# Altium PCB 6502_carrier.PcbDoc (part 2 of 2)
Units mil, origin at the board's own origin, x right, y up, seen from the top; angles counter-clockwise.
Board outline 6960 x 3485 mil, 2 copper layers (Top Layer, Bottom Layer); 111 components, 122 nets, 577 pads, 197 vias.
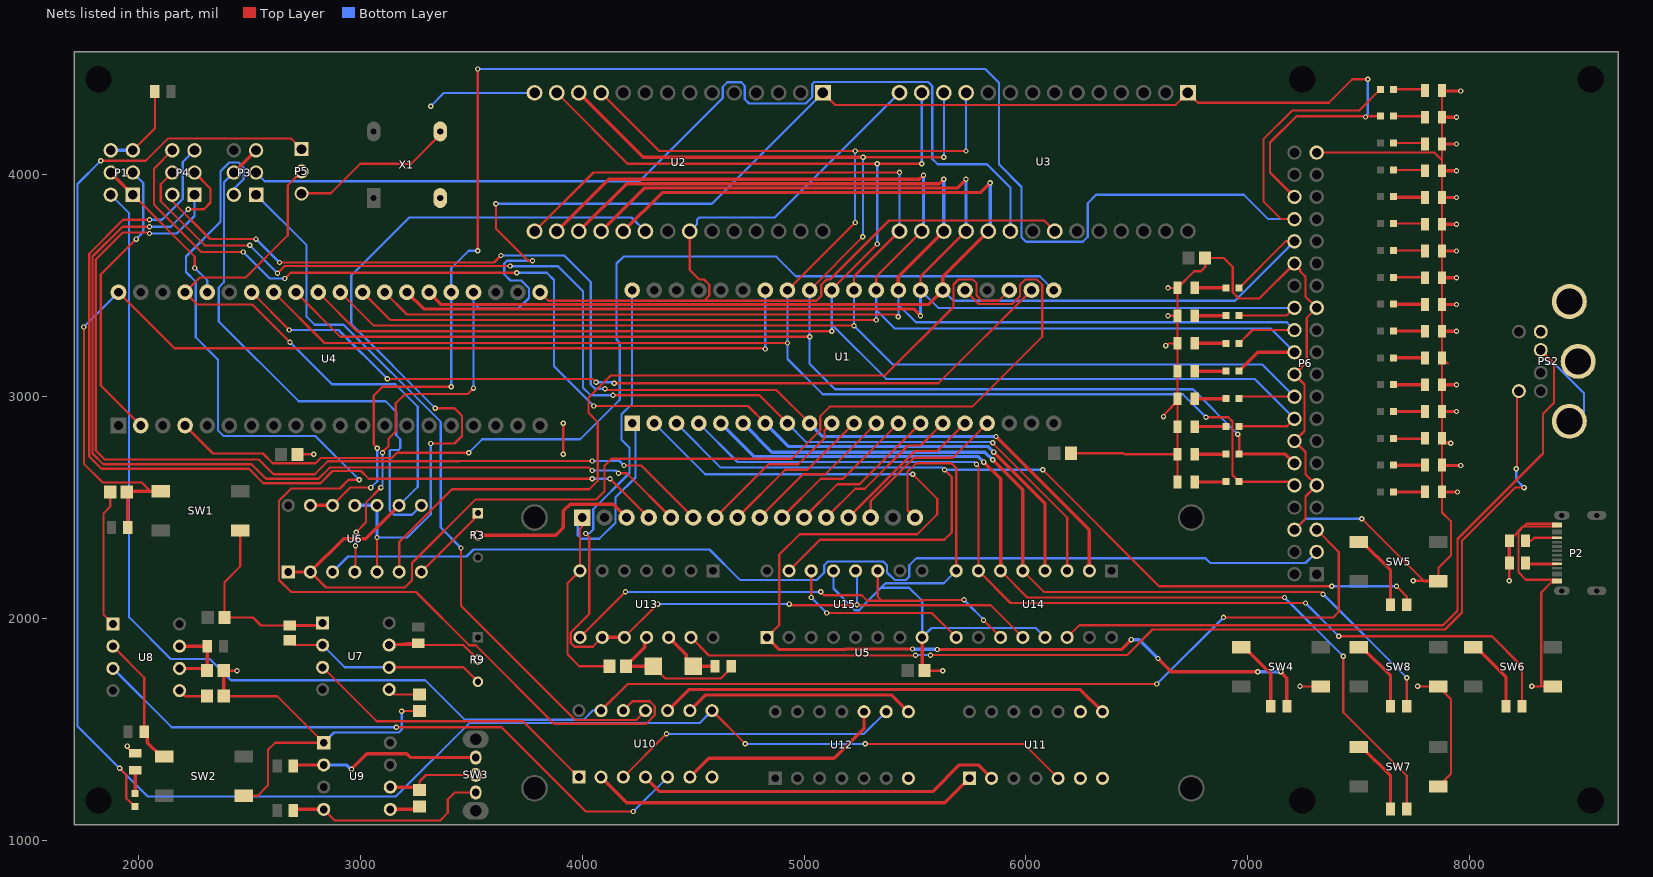
[diagram p2: the nets of this part, all layers, seen from the top]

## Via types
v1: diameter 24.02, hole 12.2, Top Layer to Bottom Layer, tented both sides, 197 vias

## Nets (pads, with @x,y where several pads share a name; then routed paths per layer and width w, separated by ;. In a path a pad name is that pad's centre, name@x,y a point inside that pad or via, vN(x,y) a via of type N, cw(c..) or ccw(c..) an arc to the next point about the centre after c; other vN are vias at no path point) (continued)
A14: A14.1 P6.36 U2.1 U3.1 U4.24 U6.4 | length 7882.3
  Top Layer w10: U6.4@2975,2210 2978.28,2213.28 v1(2978.28,2328.28) ; v1(2981.35,2388.77) 3025,2432.41 3025,2522.26 v1(3092.74,2590) ; v1(3100,2747.56) 3100,2750 3126.81,2776.81 3126.81,2810 3160,2843.19 3160,2970 3201.98,3011.98 3483.49,3011.98 v1(3510,3038.49) ; v1(3611,3869) 3611,3757 3756,3612 v1(3776,3612) ; U2.1@5085,4369 5139,4315 6674.98,4315 U3.1@6730,4370.02 6775.02,4325 7365,4325 7470,4430 v1(7540.66,4430) ; P6.36@7210,3900 7100,4010 7100,4145 7219,4264 A14.1@7597.09,4264
  Bottom Layer w10: v1(2978.28,2328.28) 2979.82,2329.82 2979.82,2387.23 v1(2981.35,2388.77) ; v1(3092.74,2590) 3092.74,2593.79 3100,2601.06 v1(3100,2747.56) ; v1(3510,3038.49) 3510,3423 ; U4.24@3510,3470 3510,3423 ; v1(3611,3869) 4585,3869 U2.1@5085,4369 ; v1(3776,3612) 3775.5,3612.5 3660.63,3612.5 3648.13,3600 3648.13,3552 3677.13,3523 3725,3523 3760,3488 3760,3445 3712,3397 3536,3397 3510,3423 ; v1(7530,4260) 7530,4263.79 7540.66,4274.45 v1(7540.66,4430)
A15: A15.1 P6.34 U4.25 U6.12 U6.13 | length 8259
  Top Layer w10: U6.12@2875,2510 2955,2590 v1(3047.56,2590) ; v1(3076,2768) 3060,2784 3060,3005 3100,3045 v1(3410,3045) ; v1(3529,3657) v1(3529,4477) ; P6.34@7210,3800 7150,3800 7070,3880 7070,4160 7200,4290 7502.09,4290 A15.1@7597.09,4385
  Top Layer w15: U6.13@2775,2510 U6.12@2875,2510
  Bottom Layer w10: v1(3047.56,2590) 3075.99,2618.43 v1(3076,2768) ; v1(3410,3045) U4.25@3410,3470 3410,3579 3488,3657 v1(3529,3657) ; v1(3529,4477) 5816,4477 5878,4415 5878,4047 5980,3945 5980,3718 6000,3698 6256,3698 6278,3720 6278,3872 6316,3910 6981.9,3910 7091.9,3800 P6.34@7210,3800
BE: P1.1 P1.4 U4.36 | length 720.2
  Top Layer w10: P1.1@1975,3910 2254,3631 v1(2254,3580)
  Top Layer w15: P1.4@1875,4010 P1.1@1975,3910
  Bottom Layer w10: v1(2254,3580) 2310,3524 U4.36@2310,3470
C\L\K\: P6.3 U6.3 | length 4741.4
  Bottom Layer w10: U6.3@2875,2210 2944,2279 3478,2279 3510,2311 4574,2311 4712,2173 5056,2173 5090.53,2207.53 5090.53,2240 5107.06,2256.53 5357.15,2256.53 5373.67,2240 5373.67,2207.8 5408,2173.47 5458.47,2173.47 5474,2189 5474,2240 5506,2272 6809,2272 6831,2250 7260,2250 P6.3@7310,2300
C\S\_RAM: P3.3 U3.20 | length 4364.6
  Bottom Layer w10: P3.3@2530,4010 2569,3971 4258,3971 4633,4346 4633,4396 4653.41,4416.41 4716.59,4416.41 4733,4400 4733,4340 4752,4321 5008,4321 5037,4350 5037,4409 5046,4418 5560,4418 5578,4400 5578,4071 5602,4047 5824,4047 5930,3941 U3.20@5930,3746.02
CLK: P5.2 U1.25 U4.37 U6.1 U6.2 U6.9 | length 7887.9
  Top Layer w10: v1(2683,3245) 2513,3415 2265,3415 U4.37@2210,3470 2276.85,3536.85 2482.96,3536.85 2673.15,3727.05 2673.15,3953.15 P5.2@2735,4015 ; U6.2@2775,2210 2845,2140 3200,2140 3233,2173 3233,2250 3520,2537 4064,2537 4100,2573 4100,2688 4132,2720 4945,2720 5073,2848 5073,2912 5116,2955 5758,2955 6073,3270 6073,3504 6049,3528 5997,3528 5973,3504 5973,3453 5937.57,3417.57 5787.43,3417.57 U1.25@5725,3480
  Top Layer w15: U6.1@2675,2210 U6.2@2775,2210 2925,2360 3025,2360 U6.9@3175,2510
  Bottom Layer w10: v1(2683,3245) 2872.01,3055.99 3157.79,3055.99 3259,2954.79 3259,2594 U6.9@3175,2510
D0: D0.1 P6.10 U1.33 U2.11 U3.11 U4.33 | length 8152
  Top Layer w10: U4.33@2610,3470 2838.49,3241.51 v1(4925,3241.51) ; U2.11@4085,4368.98 4347.25,4106.73 v1(5230,4106.73) v1(5730,4106.73) ; U1.33@4925,3480 v1(5230,3785) ; v1(6811,2907) 6912,2907 6930.99,2888.01 6930.99,2646.76 D0.1@6961.14,2616.61 7193.39,2616.61 P6.10@7210,2600
  Bottom Layer w10: U1.33@4925,3480 v1(4925,3241.51) 4925,3170 5084,3011 6707,3011 v1(6811,2907) ; v1(5230,3785) v1(5230,4106.73) ; v1(5730,4106.73) U3.11@5730,4370
D1: D1.1 P6.12 U1.32 U2.12 U3.12 U4.32 | length 7903.6
  Top Layer w10: U4.32@2710,3470 2910,3270 v1(5025,3270) ; U1.32@5025,3480 v1(5265,3720) ; v1(5265.91,4078.79) v1(5630,4078.79) ; v1(6955,2831) 6961.14,2824.86 D1.1@6961.14,2741.38
  Top Layer w15: U2.12@3985,4368.98 4275.19,4078.79 v1(5265.91,4078.79) ; D1.1@6961.14,2741.38 7168.62,2741.38 P6.12@7210,2700
  Bottom Layer w10: U1.32@5025,3480 v1(5025,3270) 5025,3147 5139,3033 6753,3033 v1(6955,2831) ; v1(5265,3720) v1@5265,4077.89 ; v1(5630,4078.79) U3.12@5630,4370
D2: D2.1 P6.16 U1.31 U2.13 U3.13 U4.31 | length 7848.4
  Top Layer w10: U4.31@2810,3470 2985,3295 v1(5125,3295) ; U2.13@3885,4368.98 4203.98,4050 v1(5330,4050) v1(5530,4050) ; U1.31@5125,3480 5125,3482.56 v1(5330,3687.56) ; D2.1@6961.14,2866.15 7176.15,2866.15 P6.16@7210,2900
  Bottom Layer w10: v1(5125,3295) 5125,3325 ; U1.31@5125,3480 5125,3325 ; v1(5330,3687.56) v1(5330,4050) ; v1(5530,4050) U3.13@5530,4370 ; P6.16@7210,2900 7030,3080 5370,3080 5125,3325
D3: D3.1 P6.18 U1.30 U2.15 U3.15 U4.30 | length 7277.8
  Top Layer w10: U4.30@2910,3470 3060,3320 v1(5225,3320) ; U2.15@3785,3745 4050.57,4010.57 v1(5430,4010.57) ; U1.30@5225,3480 5225,3541.02 U3.15@5430,3746.02 ; D3.1@6961.14,2990.92 6970.22,3000 P6.18@7210,3000
  Bottom Layer w10: U1.30@5225,3480 v1(5225,3320) 5400,3145 7065,3145 P6.18@7210,3000 ; U3.15@5430,3746.02 v1(5430,4010.57)
D4: D4.1 P6.22 U1.29 U2.16 U3.16 U4.29 | length 7114.1
  Top Layer w10: U4.29@3010,3470 3135,3345 v1(5325,3345) ; U1.29@5325,3480 5325,3541.02 U3.16@5530,3746.02
  Top Layer w15: U2.16@3885,3745 4120,3980 5520,3980 v1(5538.28,3998.28) ; D4.1@6961.14,3115.69 7045.45,3200 P6.22@7210,3200
  Bottom Layer w10: v1(5325,3345) 5325,3390 ; U1.29@5325,3480 5325,3390 ; P6.22@7210,3200 7103,3307 5408,3307 5325,3390
  Bottom Layer w15: U3.16@5530,3746.02 5538.28,3754.3 v1(5538.28,3998.28)
D5: D5.1 P6.24 U1.28 U2.17 U3.17 U4.28 | length 6913.6
  Top Layer w10: U4.28@3110,3470 3210,3370 5415,3370 v1(5425,3360) ; D5.1@6961.14,3240.46 7020.68,3300 P6.24@7210,3300
  Top Layer w15: U2.17@3985,3745 4200,3960 5610,3960 v1(5630,3980) ; U1.28@5425,3480 5425,3541.02 U3.17@5630,3746.02
  Bottom Layer w10: v1(5425,3360) 5425,3414 ; U1.28@5425,3480 5425,3414 ; P6.24@7210,3300 7175,3335 5504,3335 5425,3414
  Bottom Layer w15: U3.17@5630,3746.02 v1(5630,3980)
D6: D6.1 P6.26 U1.27 U2.18 U3.18 U4.27 | length 6782.1
  Top Layer w10: U1.27@5525,3480 5525,3541.02 U3.18@5730,3746.02 ; D6.1@6961.14,3365.23 7175.23,3365.23 P6.26@7210,3400
  Top Layer w15: U4.27@3210,3470 3285,3395 5495,3395 v1(5525,3365) ; U2.18@4085,3745 4280,3940 5690,3940 v1(5730,3980)
  Bottom Layer w10: U1.27@5525,3480 5605,3400 P6.26@7210,3400
  Bottom Layer w15: v1(5525,3365) U1.27@5525,3480 ; U3.18@5730,3746.02 v1(5730,3980)
D7: D7.1 P6.32 U1.26 U2.19 U3.19 U4.26 | length 6731.7
  Top Layer w10: D7.1@6961.14,3490 7171.14,3700 P6.32@7210,3700
  Top Layer w15: U4.26@3310,3470 3365,3415 5560,3415 U1.26@5625,3480 5625,3541.02 U3.19@5830,3746.02 ; U2.19@4185,3745 4360,3920 5795,3920 v1(5838.28,3963.28)
  Bottom Layer w10: U1.26@5625,3480 5673,3432 6942,3432 P6.32@7210,3700
  Bottom Layer w15: U3.19@5830,3746.02 5838.28,3754.3 v1(5838.28,3963.28)
GND: C1.1 C2.2 C3.2 C4.2 C5.1 C6.1 C7.2 C8.2 C9.1 C10.2 C11.2 C12.2 P2.A1 P2.A12 P6.6 P6.9 P6.14 P6.20 P6.25 P6.30 P6.39 PS2.3 PS2.7 PS2.8 PS2.9 R3.1 R10.2 R11.2 R12.2 R13.2 R14.2 R15.2 R16.2 R17.2 R18.2 R19.2 R20.2 R21.2 R22.2 R23.2 R24.2 R25.2 R26.2 R27.2 R28.2 R29.2 R30.2 R31.2 R32.2 R33.2 R34.2 R40.1 R41.1 SW1.4 SW2.1 SW3.2 SW4.4 SW5.4 SW6.4 SW7.4 SW8.4 U1.1 U2.14 U2.22 U3.14 U3.22 U4.21 U5.1 U5.16 U6.7 U7.1 U8.1 U9.1 U9.6 U10.7 U11.7 U12.7 U13.7 U14.8 U14.13 U15.8 U15.13 X1.4 | length 24869.7
  Top Layer w10: C1.1@1872.6,2570 1872.6,2504.6 1843,2475 1843,2017 U8.1@1885,1975 ; v1(1950,1425) 1952.68,1422.32 1952.68,1415.86 1975.16,1393.39 R10.2@1985,1393.39 ; C5.1@2384.02,1650 2625,1650 U9.1@2835,1440 2616,1440 2584,1408 2584,1248 2537.42,1201.42 SW2.1@2474.13,1201.42 ; C7.2@2384.02,1765 v1(2444,1765) ; SW1.4@2459.13,2396.42 2459.13,2235.73 2387.4,2164 C10.2@2387.4,2005 2516,2005 2552.54,1968.46 C8.2@2681.61,1968.46 ; C2.2@2717.4,2740 v1(2790,2740) ; v1(3186,1582.6) C9.1@3266.61,1582.6 ; C6.1@3266.61,1227.4 3266.61,1265.61 3296,1295 SW3.2@3520,1295 ; U6.7@3275,2210 3511.38,2446.38 3511.38,2456.38 R3.1@3530,2475 ; U4.21@3810,3470 3847.43,3432.57 4549.57,3432.57 ; v1(3915,2740) v1(3915,2880) ; U5.1@4000,2455 4000,2415.02 3990,2405.02 U13.7@3990,2215 3933.47,2158.47 3933.47,1838.53 3987,1785 C12.2@4122.6,1785 ; U2.22@4485,3745 4485,3571 4528,3528 4549,3528 4573,3504 4573,3456 4549.57,3432.57 ; U5.16@5500,2455 5465.99,2489.01 5465.99,2660.99 5505,2700 5664,2700 5685.71,2678.29 U14.8@5685.71,2215 ; C11.2@5542.4,1765 v1(5625,1765) ; U3.22@6130,3746.02 6082.02,3794 5383,3794 5117,3528 5101,3528 5077,3504 5077,3453.57 5056,3432.57 4549.57,3432.57 ; C3.2@6202.4,2745 6440,2745 6445,2740 R28.2@6683.23,2740 ; v1(6620,2910) 6622.68,2912.68 6622.68,2919.61 R30.2@6683.23,2980.16 ; v1(6630,3230) 6633.79,3230 6643.79,3240 R32.2@6683.23,3240 ; v1(6640,3365) R33.2@6683.23,3365 ; v1(6640,3490) R34.2@6683.23,3490 ; R27.2@6683.23,2615 R28.2@6683.23,2740 ; C4.2@6807.4,3625 C4.2@6808,3625 ; P6.6@7210,2400 7260,2450 7260,2550 P6.9@7310,2600 7260,2650 7260,2750 P6.14@7210,2800 7255,2845 7255,3055 P6.20@7210,3100 7265,3155 7265,3355 P6.25@7310,3400 7260,3450 7260,3540.52 7236.65,3563.87 7236.65,3573.35 P6.30@7210,3600 7052,3442 6960,3442 6932,3470 6932,3584 6891,3625 C4.2@6808,3625 ; v1(7235,1695) 7236.81,1693.19 SW4.4@7328.66,1693.19 ; P6.39@7310,4100 7840,4100 7875,4065 ; v1(7513.19,2450) 7793.19,2170 ; v1(7745,2170) 7793.19,2170 ; v1(7765,1695) 7766.81,1693.19 SW8.4@7858.66,1693.19 7915,1636.85 7915,1299.53 SW7.4@7858.66,1243.19 ; R26.2@7875,4380 R25.2@7875,4259.44 R24.2@7875,4138.88 7875,4065 ; 7900.51,3148.9 R16.2@7875,3174.41 ; v1(8178.58,2170) R40.1@8178.58,2250 ; R41.1@8178.58,2350 8220,2391.42 ; v1(8280,1695) 8281.81,1693.19 8322,1693.19 ; SW6.4@8373.66,1693.19 8322,1693.19 ; R28.2@6683.23,2740 R29.2@6683.23,2865 R30.2@6683.23,2980.16 ; R30.2@6683.23,2980.16 R30.2@6683.23,2990 R31.2@6683.23,3115 R32.2@6683.23,3240 ; R32.2@6683.23,3240 R33.2@6683.23,3365 ; R33.2@6683.23,3365 R34.2@6683.23,3490 ; R34.2@6683.23,3490 6758.23,3565 6789,3565 6808,3584 C4.2@6808,3625 ; 7793.19,2170 7795,2168.19 SW5.4@7858.66,2168.19 SW5.4@7858.66,2170 ; 7793.19,2170 SW5.4@7858.66,2170 ; SW5.4@7858.66,2170 7858.66,2227.66 7915,2284 7915,2438 7875,2478 R11.2@7875,2571.62 R12.2@7875,2692.18 R13.2@7875,2812.73 R14.2@7875,2933.29 R15.2@7875,3053.85 R16.2@7875,3174.41 ; R16.2@7875,3174.41 R17.2@7875,3294.97 R18.2@7875,3415.53 R19.2@7875,3536.09 R20.2@7875,3656.65 R21.2@7875,3777.21 R22.2@7875,3897.76 R23.2@7875,4018.32 7875,4065 ; 8220,2391.42 8243.85,2415.27 ; 8220,2391.42 8220,2395.27 8240,2415.27 8243.85,2415.27 ; 8220,2391.42 8220,2208 8252.89,2175.11 P2.A1@8392.36,2175.11 P2.A1@8392.36,2163.3 8368,2163.3 8322,2117.3 8322,1693.19 ; 8243.85,2415.27 P2.A12@8392.36,2415.27 P2.A12@8392.36,2427.08 8255.66,2427.08 8243.85,2415.27
  Top Layer w15: C5.1@2384.02,1650 C7.2@2384.02,1765 ; C8.2@2681.61,1968.46 2818.46,1968.46 U7.1@2830,1980 ; U9.6@3135,1240 3254.02,1240 C6.1@3266.61,1227.4 ; U15.8@5532.15,1915 5532.15,1775.26 C11.2@5542.4,1765 ; R12.2@7875,2692.18 7877.18,2690 v1(7960,2690) ; R13.2@7875,2812.73 7875,2802.89 7886.2,2791.69 7913.31,2791.69 v1(7915,2790) ; R14.2@7875,2933.29 v1(7940,2933.29) ; R15.2@7875,3053.85 v1(7940,3053.85) ; R17.2@7875,3294.97 v1(7940,3294.97) ; R18.2@7875,3415.53 v1(7940,3415.53) ; R19.2@7875,3536.09 v1(7940,3536.09) ; R20.2@7875,3656.65 v1(7940,3656.65) ; R21.2@7875,3777.21 v1(7940,3777.21) ; R22.2@7875,3897.76 v1(7940,3897.76) ; R23.2@7875,4018.32 v1(7940,4018.32) ; R24.2@7875,4138.88 v1(7940,4138.88) ; R25.2@7875,4259.44 v1(7940,4259.44) ; R26.2@7875,4380 7877.18,4377.82 v1(7960,4377.82) ; R11.2@7880,2570 v1(7945,2570) ; R40.1@8178.58,2250 R41.1@8178.58,2350
  Bottom Layer w10: U9.1@2835,1440 2880.99,1485.99 3172.5,1485.99 3186.57,1500.06 3186.57,1582.03 v1(3186,1582.6) ; v1(3317,4309) 3376.98,4368.98 U2.14@3785,4368.98 ; U5.1@4000,2455 3980,2435 3980,2375 3996.01,2358.99 4076.99,2358.99 4150,2432 4150,2546 4240,2636 4240,2865 U1.1@4225,2880 ; U2.22@4485,3745 4517.48,3777.48 4517.48,3796.92 4528,3807.43 4867.43,3807.43 U3.14@5430,4370 ; U15.13@5132.15,2215 5132.15,2134.85 5214.27,2052.73 5214.27,2051.78 5228.33,2037.72 5248.22,2037.72 5262.28,2051.78 5262.28,2054.28 5347,2139 ; U14.8@5685.71,2215 5629.18,2158.47 5366.47,2158.47 5347,2139 ; U14.13@6085.71,1915 6043.71,1957 5574.15,1957 U15.8@5532.15,1915 5532.15,2080 5473.15,2139 5347,2139 ; P6.6@7210,2400 7260,2450 v1(7513.19,2450) ; 8346.7,3148.9 8381.1,3148.9 8515,3015 8515,2929 8465.2,2879.2 PS2.8@8386,2879.2
I\R\Q\: U1.21 U4.4 | length 4813.1
  Top Layer w10: U4.4@2210,2870 2336,2744 2561,2744 2605,2700 2798,2700 2821.55,2723.55 3141.66,2723.55 3165.1,2747 v1(3489,2747)
  Bottom Layer w10: v1(3489,2747) 3549.57,2807.57 3990.57,2807.57 4169.01,2986.01 4169.01,3243.11 4155,3257.11 4155,3600 4186,3631 4874.43,3631 4963,3542.43 6062.57,3542.43 U1.21@6125,3480
LCD_E: P4.1 U5.6 | length 4352.7
  Top Layer w10: v1(2050,3735) 2045.49,3739.51 1929.51,3739.51 1808.01,3618.01 1808.01,2756.99 1848.49,2716.51 2542.27,2716.51 2608.78,2650 2795,2650 2853.55,2708.55 3445.49,2708.55 3446.59,2709.66 v1(4045,2709.66) ; v1(4188.36,2689.3) 4265.7,2689.3 U5.6@4500,2455
  Bottom Layer w10: v1(2050,3735) 2173.05,3735 2252.5,3814.45 P4.1@2252.5,3910 ; v1(4045,2709.66) 4167.99,2709.66 v1(4188.36,2689.3)
LCD_R/W\: P4.3 U5.5 | length 4453.6
  Top Layer w10: v1(2050,3766.02) 1927.73,3766.02 1793.01,3631.29 1793.01,2743.71 1841.72,2695 2509.52,2695 2574.52,2630 2811.72,2630 2861.72,2680.01 4032.22,2680.01 v1(4045,2667.23) ; v1(2225,3845) 2295,3845 2325,3875 2325,3937.5 P4.3@2252.5,4010 ; v1(4163.36,2654.3) 4200.7,2654.3 U5.5@4400,2455
  Bottom Layer w10: v1(2050,3766.02) 2146.02,3766.02 v1(2225,3845) ; v1(4045,2667.23) 4150.42,2667.23 v1(4163.36,2654.3)
LCD_RS: P4.5 U5.4 | length 4360.6
  Top Layer w10: v1(2050,3797.03) 1930.46,3797.03 1778.01,3644.58 1778.01,2730.42 1833.43,2675 2497.78,2675 2562.78,2610 2820,2610 2875.01,2665.01 3003.26,2665.01 3038.27,2630 v1(4045,2630) ; v1(4125,2630) U5.4@4300,2455
  Bottom Layer w10: v1(2050,3797.03) 2105.97,3797.03 2200,3891.06 2200,4057.5 P4.5@2252.5,4110 ; v1(4045,2630) v1(4125,2630)
NetA0_2: A0.2 R11.1 | length 142.8
  Top Layer w15: A0.2@7656.14,2570 7796.61,2570 R11.1@7798.23,2571.62
NetA1_2: A1.2 R12.1 | length 142.5
  Top Layer w15: A1.2@7656.14,2691 7796.61,2691 R12.1@7798.23,2692.18
NetA2_2: A2.2 R13.1 | length 144.6
  Top Layer w10: A2.2@7656.14,2812 7657.08,2809.94 7795.43,2809.94 R13.1@7798.23,2812.73
NetA3_2: A3.2 R14.1 | length 142.1
  Top Layer w15: A3.2@7656.14,2933 7796.61,2933 R14.1@7798.23,2933.29
NetA4_2: A4.2 R15.1 | length 142.1
  Top Layer w15: A4.2@7656.14,3054 7796.61,3054 R15.1@7798.23,3053.85
NetA5_2: A5.2 R16.1 | length 142.2
  Top Layer w15: A5.2@7656.14,3175 7796.61,3175 R16.1@7798.23,3174.41
NetA6_2: A6.2 R17.1 | length 142.4
  Top Layer w15: A6.2@7656.14,3296 7796.61,3296 R17.1@7798.23,3294.97
NetA7_2: A7.2 R18.1 | length 142.7
  Top Layer w15: A7.2@7656.14,3417 7796.61,3417 R18.1@7798.23,3415.53
NetA8_2: A8.2 R19.1 | length 142.9
  Top Layer w10: A8.2@7656.14,3538 7796.32,3538 R19.1@7798.23,3536.09
NetA9_2: A9.2 R20.1 | length 143.1
  Top Layer w10: A9.2@7656.14,3659 7795.87,3659 R20.1@7798.23,3656.65
NetA10_2: A10.2 R21.1 | length 143.2
  Top Layer w10: A10.2@7656.14,3780 7795.43,3780 R21.1@7798.23,3777.21
NetA11_2: A11.2 R22.1 | length 143.9
  Top Layer w15: A11.2@7656.14,3901 7658.32,3898.07 7798.23,3898.07 R22.1@7798.23,3897.76
NetA12_2: A12.2 R23.1 | length 143.6
  Top Layer w10: A12.2@7656.14,4022 7794.55,4022 R23.1@7798.23,4018.32
NetA13_2: A13.2 R24.1 | length 143.8
  Top Layer w10: A13.2@7656.14,4143 7794.11,4143 R24.1@7798.23,4138.88
NetA14_2: A14.2 R25.1 | length 144
  Top Layer w10: A14.2@7656.14,4264 7793.67,4264 R25.1@7798.23,4259.44
NetA15_2: A15.2 R26.1 | length 144.2
  Top Layer w10: A15.2@7656.14,4385 7793.23,4385 R26.1@7798.23,4380
NetC5_2: C5.2 U8.5 | length 134.6
  Top Layer w10: U8.5@2185,1675 2210,1650 C5.2@2309.21,1650
NetC6_2: C6.2 U9.5 | length 136.8
  Top Layer w15: U9.5@3135,1140 3254.02,1140 C6.2@3266.61,1152.6
NetC7_1: C7.1 R4.2 U8.6 U8.7 | length 364
  Top Layer w15: U8.6@2185,1775 2299.21,1775 C7.1@2309.21,1765 2310.2,1765.98 R4.2@2310.2,1875 U8.7@2185,1875
NetC8_1: C8.1 R9.3 U7.2 U7.6 | length 925.7
  Top Layer w10: C8.1@2681.61,1901.54 2703.15,1880 U7.2@2830,1880 ; U7.6@3130,1780 3465,1780 R9.3@3530,1715
  Bottom Layer w10: U7.2@2830,1880 2930,1780 U7.6@3130,1780
NetC9_2: C9.2 U7.5 | length 146
  Top Layer w10: U7.5@3130,1680 3152.6,1657.4 C9.2@3266.61,1657.4
NetC12_1: C12.1 D8.1 R42.2 U13.11 | length 692.6
  Top Layer w10: D8.1@4319.37,1785.12 4374.49,1730 4624.29,1730 4671.42,1777.13 R42.2@4671.42,1785
  Top Layer w15: U13.11@4290,1915 4281.57,1906.57 4281.57,1871.14 4197.4,1786.97 C12.1@4197.4,1785 4197.52,1785.12 D8.1@4319.37,1785.12
NetCLK_1: CLK.1 P5.1 U10.8 U11.5 | length 8599.7
  Top Layer w10: v1(1830,4063) 2033,4063 2134,4164 2686,4164 P5.1@2735,4115 ; v1(1915,1325) 1945,1295 1945,1190 1958.02,1176.98 1960.11,1176.98 CLK.1@1985,1152.09 ; U10.8@4585,1585 v1(4735,1435) ; v1(5275,1435) 5990,1435 U11.5@6145,1280
  Bottom Layer w10: v1(1830,4063) 1725,3958 1725,1515 v1(1915,1325) 2042,1198 3160,1198 3490.47,1528.47 4528.47,1528.47 U10.8@4585,1585 ; v1(4735,1435) v1(5275,1435)
NetCLK_2: CLK.2 R10.1 | length 105.5
  Top Layer w15: CLK.2@1985,1211.14 R10.1@1985,1316.61
NetD0_2: D0.2 R27.1 | length 142.8
  Top Layer w15: R27.1@6760,2615 6900.47,2615 D0.2@6902.09,2616.61
NetD1_2: D1.2 R28.1 | length 142.6
  Top Layer w15: R28.1@6760,2740 6900.47,2740 D1.2@6902.09,2741.38
NetD2_2: D2.2 R29.1 | length 142.5
  Top Layer w15: R29.1@6760,2865 6900.47,2865 D2.2@6902.09,2866.15
NetD3_2: D3.2 R30.1 | length 142.3
  Top Layer w15: R30.1@6760,2990 6900.47,2990 D3.2@6902.09,2990.92
NetD4_2: D4.2 R31.1 | length 142.2
  Top Layer w15: R31.1@6760,3115 6900.47,3115 D4.2@6902.09,3115.69
NetD5_2: D5.2 R32.1 | length 142.2
  Top Layer w15: R32.1@6760,3240 6900.47,3240 D5.2@6902.09,3240.46
NetD6_2: D6.2 R33.1 | length 142.1
  Top Layer w15: R33.1@6760,3365 6900.47,3365 D6.2@6902.09,3365.23
NetD7_2: D7.2 R34.1 | length 142.1
  Top Layer w15: R34.1@6760,3490 D7.2@6902.09,3490
NetD8_2: D8.2 R42.1 U13.12 | length 273.8
  Top Layer w15: U13.12@4390,1915 4468.6,1836.4 4468.6,1816.99 D8.2@4500.47,1785.12 4598.46,1785.12 R42.1@4598.58,1785
NetP1_5: P1.5 P1.6 R2.2 | length 379.5
  Top Layer w10: P1.5@1975,4110 2075,4210 R2.2@2075,4348.1
  Bottom Layer w15: P1.6@1875,4110 P1.5@1975,4110
NetP2_A5: P2.A5 R40.2 | length 142.6
  Top Layer w15: R40.2@8251.42,2250 8255.44,2245.98 P2.A5@8392.36,2245.98
NetP2_B5: P2.B5 R41.2 | length 146.8
  Top Layer w10: R41.2@8251.42,2350 8276.09,2350 8290.18,2364.09 P2.B5@8392.36,2364.09
NetP5_3: P5.3 X1.3 | length 749.2
  Top Layer w10: P5.3@2735,3915 2736.57,3916.57 2866.57,3916.57 3000,4050 3229,4050 3360,4181 X1.3@3360,4195
NetR3_2: R3.2 U5.3 | length 796.8
  Top Layer w15: R3.2@3530,2375 3880,2375 3915,2410 3915,2485 3945,2515 4140,2515 U5.3@4200,2455
NetR5_1: R5.1 SW3.1 U9.2 | length 868.2
  Top Layer w15: R5.1@2698.03,1335 2703.03,1340 U9.2@2835,1340 ; v1(2960,1320) 3030,1390 3210,1390 3226.52,1373.48 SW3.1@3520,1373.48
  Bottom Layer w15: U9.2@2835,1340 2937.56,1340 2957.56,1320 v1(2960,1320)
NetR6_1: R6.1 SW3.3 U9.4 | length 932.1
  Top Layer w10: U9.4@2835,1140 2885,1090 3360,1090 3394,1124 3394,1184 3426,1216 SW3.3@3520,1216
  Top Layer w15: R6.1@2698.03,1135 2703.03,1140 U9.4@2835,1140
NetR7_2: R7.2 R9.2 U7.7 | length 559
  Top Layer w10: R7.2@3261.61,1888.58 3208.16,1888.58 U7.7@3130,1880 3465,1880 R9.2@3530,1815
NetR8_1: R8.1 SW2.4 U8.2 | length 600.1
  Top Layer w10: U8.2@1885,1875 2026.42,1733.58 R8.1@2026.42,1490
  Top Layer w15: R8.1@2026.42,1490 2039.59,1476.83 2039.59,1441.08 2102.09,1378.58 SW2.4@2115.87,1378.58
NetR35_2: R35.2 SW4.1 | length 328.4
  Top Layer w15: SW4.1@6970.39,1870.35 6984.17,1870.35 7103.11,1751.42 R35.2@7103.11,1605
NetR36_2: R36.2 SW5.1 | length 350.8
  Top Layer w15: SW5.1@7500.39,2345.35 7514.17,2345.35 7643.11,2216.42 R36.2@7643.11,2061.77
NetR37_2: R37.2 SW6.1 | length 334.6
  Top Layer w15: SW6.1@8015.39,1870.35 8029.17,1870.35 8163.11,1736.42 R37.2@8163.11,1605
NetR38_2: R38.2 SW7.1 | length 345.8
  Top Layer w15: SW7.1@7500.39,1420.35 7514.17,1420.35 7643.11,1291.42 R38.2@7643.11,1141.77
NetR39_2: R39.2 SW8.1 | length 332.5
  Top Layer w15: SW8.1@7500.39,1870.35 7514.17,1870.35 7643.11,1741.42 R39.2@7643.11,1605
NetU1_22: U1.22 U4.34 | length 3858.8
  Top Layer w10: U4.34@2510,3470 v1(2680,3300) ; v1(3122,3080) 4047.56,3080 v1(4062.56,3065) ; v1(4145,3060) 5605,3060 U1.22@6025,3480
  Bottom Layer w10: v1(2680,3300) 2902,3300 v1(3122,3080) ; v1(4062.56,3065) 4140,3065 v1(4145,3060)
NetU1_23: U1.23 U6.6 | length 3803.7
  Top Layer w10: U6.6@3175,2210 3175,2345 3413,2583 4032,2583 4070,2621 4070,2885 4028,2927 4028,2995 4128,3095 5364,3095 5673,3404 5673,3505 5696,3528 5760,3528 5777.57,3510.43 5777.57,3456 5801,3432.57 5877.57,3432.57 U1.23@5925,3480
NetU2_20: U2.20 U6.5 U6.10 U6.11 | length 3599.8
  Top Layer w10: U6.5@3075,2210 v1(3075,2365) ; v1(3317,2789) 3424,2789 3458,2823 3458,2914 3424,2948 v1(3338,2948)
  Bottom Layer w10: v1(3075,2365) 3212,2365 3317,2470 v1(3317,2789) ; v1(3338,2948) 2959,3327 2959,3546 3220.43,3807.43 4222.57,3807.43 U2.20@4285,3745
  Bottom Layer w15: U6.11@2975,2510 U6.10@3075,2510 v1(3075,2365)
NetU7_3: U7.3 U10.1 | length 1360
  Top Layer w10: U7.3@2830,1780 3073.49,1536.51 3733.49,1536.51 U10.1@3985,1285
NetU8_3: U8.3 U10.5 | length 2831.4
  Top Layer w10: v1(3162.56,1510) 3635.98,1510 4015.98,1130 v1(4230,1130)
  Bottom Layer w10: U8.3@1885,1775 2150,1510 v1(3162.56,1510) ; v1(4230,1130) U10.5@4385,1285
NetU10_2: U10.2 U11.1 | length 1753.2
  Top Layer w15: U10.2@4085,1285 4200,1170 5635,1170 U11.1@5745,1280
NetU10_3: U10.3 U12.9 | length 1307.2
  Top Layer w10: U10.3@4185,1285 v1(4380,1480)
  Bottom Layer w10: v1(4380,1480) 5270,1480 U12.9@5370,1580
NetU10_4: U10.4 U11.2 | length 1661.5
  Top Layer w15: U10.4@4285,1285 4350,1220 5580,1220 5700,1340 5785,1340 U11.2@5845,1280
NetU10_6: U10.6 U12.10 | length 951.1
  Top Layer w15: U10.6@4485,1285 4570,1370 5135,1370 5270,1505 U12.10@5270,1580
NetU10_9: U10.9 U12.8 | length 1045.1
  Top Layer w15: U10.9@4485,1585 4555,1655 5395,1655 U12.8@5470,1580
NetU10_10: U10.10 U11.8 | length 2040.8
  Top Layer w15: U10.10@4385,1585 4480,1680 6245,1680 U11.8@6345,1580
NetU11_6: U11.6
NetU11_9: U11.9
NetU13_8: U13.8 U14.11 U15.11 | length 2213.6
  Top Layer w10: U13.8@3990,1915 v1(4195,2120) ; v1(5075,2120) 5090,2105 5260,2105 5285,2080 5350,2080 ; U15.11@5332.15,2215 5332.15,2097.85 5350,2080 ; v1(5720.71,2084.01) 5535.46,2084.01 5531.45,2080 5350,2080 ; v1(5808.22,1992.49) U14.11@5885.71,1915
  Bottom Layer w10: v1(4195,2120) v1(5075,2120) ; v1(5720.71,2084.01) 5741.34,2063.38 5801.21,2003.51 5801.21,2003.29 5808.22,1996.28 v1(5808.22,1992.49)
NetU14_9: U14.9 U15.14 | length 848.5
  Top Layer w10: v1(5032.15,2094.36) U15.14@5032.15,2215 ; v1(5101.51,2025) 5575.71,2025 U14.9@5685.71,1915
  Bottom Layer w10: v1(5032.15,2094.36) v1(5101.51,2025)
P\S\2\_\C\L\K\: U1.40 U13.9 U13.10 U14.12 U15.12 | length 4099.7
  Top Layer w10: v1(4016,2383) 4032,2367 4032,2020.53 3948.47,1937 3948.47,1889.53 3965,1873 4048,1873 U13.9@4090,1915 ; U13.10@4190,1915 v1(4340,2065) ; v1(4933,2065) 4935.69,2062.32 4943.55,2062.32 4945.87,2060 5236.55,2060 v1(5238.28,2061.73) ; v1@5238.28,2060 5840.71,2060 U14.12@5985.71,1915
  Top Layer w15: U13.9@4090,1915 U13.10@4190,1915
  Bottom Layer w10: v1(4016,2383) 4032,2383 4050,2401 4050,2493 4213,2656 4213,2770 4177,2806 4177,2920 4225,2968 U1.40@4225,3480 ; v1(4340,2065) v1(4933,2065) ; U15.12@5232.15,2215 5238.28,2208.87 v1(5238.28,2061.73)
PA0: R35.1 U1.2 U15.1 | length 5255.4
  Top Layer w10: U15.1@4832.15,1915 4888.12,1970.97 4888.12,2288.12 4980,2380 5510,2380 5600,2470 5600,2540 v1(5490,2650)
  Top Layer w15: U15.1@4832.15,1915 4887.15,1860 5185.29,1860 5188.04,1862.75 v1(5488.63,1862.75) ; v1(5600,1860) 6430,1860 v1(6475,1905) ; v1(6595,1820) 6655,1760 v1(7045,1760) ; v1(7147.69,1760) 7175.94,1731.75 R35.1@7175.94,1605
  Bottom Layer w10: U1.2@4325,2880 4555,2650 v1(5490,2650)
  Bottom Layer w15: v1(5488.63,1862.75) 5489.87,1861.51 5598.49,1861.51 v1(5600,1860) ; v1(6475,1905) 6510,1905 v1(6595,1820) ; v1(7045,1760) v1(7147.69,1760)
PA1: R36.1 U1.3 U15.15 | length 4751.5
  Top Layer w10: U15.15@4932.15,2215 5072.15,2355 5632,2355 5665,2388 5665,2638 v1(5633,2670) ; v1(6075,2670) 6600,2145 v1(7377.56,2145) ; v1(7670,2145) 7715.94,2099.06 R36.1@7715.94,2061.77
  Bottom Layer w10: U1.3@4425,2880 4625,2680 5623,2680 v1(5633,2670) v1(6075,2670) ; v1(7377.56,2145) v1(7670,2145)
PA2: R37.1 U1.4 U14.7 | length 4619.7
  Top Layer w10: v1(5776.73,2694.78) 5785.71,2685.8 U14.7@5785.71,2215 5930.71,2070 v1(7260,2070) ; v1(7410,1920) 8100,1920 8235.94,1784.06 R37.1@8235.94,1605
  Bottom Layer w10: U1.4@4525,2880 4700,2705 5766.51,2705 v1(5776.73,2694.78) ; v1(7260,2070) v1(7410,1920)
PA3: R38.1 U1.5 U14.6 | length 4289.3
  Top Layer w10: U14.6@5885.71,2215 6005.71,2095 v1(7165,2095) ; v1(7430,1830) 7430,1577.32 7715.94,1291.38 R38.1@7715.94,1141.77
  Top Layer w15: v1(5810,2705) 5885.71,2629.29 U14.6@5885.71,2215
  Bottom Layer w10: v1(7165,2095) v1(7430,1830)
  Bottom Layer w15: U1.5@4625,2880 4775,2730 5785,2730 v1(5810,2705)
PA4: R39.1 U1.6 U14.5 | length 3807.2
  Top Layer w10: U14.5@5985.71,2215 6080.71,2120 7328.49,2120 v1(7338.49,2110) ; R39.1@7715.94,1605 v1(7715.94,1732.55)
  Top Layer w15: v1(5850,2715) 5985.71,2579.29 U14.5@5985.71,2215
  Bottom Layer w10: v1(7338.49,2110) v1(7715.94,1732.55)
  Bottom Layer w15: U1.6@4725,2880 4855,2750 5815,2750 v1(5850,2715)
PA5: P4.6 U1.7 U14.4 | length 5405.8
  Top Layer w10: P4.6@2152.5,4110 2070,4027.5 2070,3865 2282.95,3652.05 v1(2472.05,3652.05) ; v1(2660,3532.48) 2686.01,3558.49 v1(3704.39,3558.49) ; v1(4052.36,2957.46) 4747.54,2957.46 U1.7@4825,2880
  Top Layer w15: v1(5855,2750) 6085.71,2519.29 U14.4@6085.71,2215
  Bottom Layer w10: v1(2472.05,3652.05) 2591.62,3532.48 v1(2660,3532.48) ; v1(3704.39,3558.49) 3840,3558.49 3873.02,3525.48 3873.02,3136.8 v1(4052.36,2957.46)
  Bottom Layer w15: U1.7@4825,2880 4930,2775 5830,2775 v1(5855,2750)
PA6: P4.4 U1.8 U14.3 | length 5349.8
  Top Layer w10: P4.4@2152.5,4010 2100,3957.5 2100,3880 2298.25,3681.75 v1(2501.75,3681.75) ; v1(2627,3556.49) 2659,3588.49 v1(3675,3588.49) ; v1(4139,3006) 4799,3006 U1.8@4925,2880 ; v1(5850.02,2792.46) 5850.02,2790.02 6185.71,2454.34 U14.3@6185.71,2215
  Bottom Layer w10: v1(2501.75,3681.75) v1(2627,3556.49) ; v1(3675,3588.49) 3675.5,3587.99 3890.52,3587.99 4004,3474.51 4004,3040 4038,3006 v1(4139,3006) ; U1.8@4925,2880 5010,2795 5847.49,2795 v1(5850.02,2792.46)
PA7: P4.2 U1.9 U14.2 | length 5257.1
  Top Layer w10: P4.2@2152.5,3910 2152.5,3880.01 2322.51,3710 v1(2530,3710) ; v1(2635.37,3604.63) 3602.63,3604.63 v1(3634,3636) ; v1(4103.01,3036) 4109,3030.01 4874.99,3030.01 U1.9@5025,2880
  Top Layer w15: v1(5865,2820) 6285.71,2399.29 U14.2@6285.71,2215
  Bottom Layer w10: v1(2530,3710) v1(2635.37,3604.63) ; v1(3634,3636) 3649.87,3636 3918.87,3636.13 4038.55,3516.45 4038.55,3055.06 4057.61,3036 v1(4103.01,3036)
  Bottom Layer w15: U1.9@5025,2880 5085,2820 v1(5865,2820)
PB0: U1.10 U5.7 | length 721.1
  Top Layer w10: U5.7@4600,2455 4840,2695 4974.24,2695 5092.12,2812.88 5092.12,2847.12 U1.10@5125,2880
PB1: U1.11 U5.8 | length 701
  Top Layer w10: U5.8@4700,2455 4915,2670 5015,2670 U1.11@5225,2880
PB2: U1.12 U5.9 | length 701
  Top Layer w10: U5.9@4800,2455 4995,2650 5095,2650 U1.12@5325,2880
PB3: U1.13 U5.10 | length 701
  Top Layer w10: U5.10@4900,2455 5075,2630 5175,2630 U1.13@5425,2880
PB4: U1.14 U5.11 | length 701
  Top Layer w10: U5.11@5000,2455 5150,2605 5250,2605 U1.14@5525,2880
PB5: U1.15 U5.12 | length 701
  Top Layer w10: U5.12@5100,2455 5230,2585 5273.36,2585 5468.36,2780 5525,2780 U1.15@5625,2880
PB6: U1.16 U5.13 | length 701
  Top Layer w10: U5.13@5200,2455 5500,2755 5600,2755 U1.16@5725,2880
PB7: U1.17 U5.14 | length 745
  Top Layer w10: U5.14@5300,2455 5300,2530 5495,2725 5670,2725 U1.17@5825,2880
PS2_CLK: PS2.6 U13.13 | length 4743.6
  Top Layer w10: U13.13@4490,1915 4571.51,1833.49 v1@5500.98,1833.49 ; v1(5570,1835) 6455,1835 6570,1950 7888.28,1950 7965,2026.72 7965,2350 8205,2590 v1(8245,2590) ; v1(8210,2675) 8212.68,2677.68 8212.68,3015.98 PS2.6@8221.6,3024.9
  Bottom Layer w10: v1(5502.49,1835) v1(5570,1835) ; v1(8210,2675) 8210,2625 v1(8245,2590)
PS2_DATA: PS2.1 U14.14 | length 3189
  Top Layer w10: U14.14@6185.71,1915 6240.71,1970 7880,1970 7945,2035 7945,2358.28 8330,2743.28 8330,2922.5 8380,2972.5 8380,3150 PS2.1@8320,3210
R\E\S\E\T\: C1.2 R1.2 SW1.1 U1.34 U4.40 | length 4790.8
  Top Layer w10: v1(1754,3314) 1754,2698 1839,2613 2015,2613 2054.42,2573.58 SW1.1@2100.87,2573.58 ; U4.40@1910,3470 2161.98,3218.02 4821.98,3218.02 v1(4825,3215)
  Top Layer w15: R1.2@1951.42,2410 1951.42,2565.98 C1.2@1947.4,2570 1950.98,2573.58 2054.42,2573.58
  Bottom Layer w10: v1(1754,3314) U4.40@1910,3470 ; v1(4825,3215) U1.34@4825,3480
RDY: P1.3 U4.2 | length 1313.5
  Top Layer w10: v1(1990,3710) 1830,3550 1830,3050 U4.2@2010,2870
  Bottom Layer w10: P1.3@1975,4010 2021.98,3963.02 2021.98,3741.98 v1(1990,3710)
VGA_AND: P3.2 U10.12 | length 5237.4
  Top Layer w10: v1(2995,2625) 2947,2625 2908,2586 2688,2586 2633,2531 2633,2174 2688,2119 3251,2119 3491,1879 3520,1879 3873,1526 4288,1526 4327,1565 4327,1604 4304,1627 4227,1627 U10.12@4185,1585
  Bottom Layer w10: P3.2@2430,3910 2430,3935.83 2475,3980.83 2475,4032 2452,4055 2409,4055 2370,4016 2370,3788 2214,3632 2214,3562 2258,3518 2258,3267 2358,3167 2358,2848 2384,2822 2798,2822 v1(2995,2625)
VGA_AND_OUT: P3.1 U10.11 | length 3373.3
  Top Layer w10: v1(3454,2318) 3454,2057 3968,1543 4243,1543 U10.11@4285,1585
  Bottom Layer w10: P3.1@2530,3910 2758,3682 2758,3360 2794,3324 2924.18,3324 3362,2886.18 3362,2410 v1(3454,2318)
VGA_D\M\A\: P1.2 P6.5 U10.13 | length 8194.9
  Top Layer w10: U10.13@4085,1585 4205,1705 v1(6590,1705) ; v1(6890,2005) 7385,2005 7410,2030 7410,2300 P6.5@7310,2400
  Bottom Layer w10: P1.2@1875,3910 1958,3827 1958,2006 2147,1817 2322,1817 2417,1722 3292,1722 3470.53,1543.47 4006.47,1543.47 4048,1585 U10.13@4085,1585 ; v1(6590,1705) v1(6890,2005)
VGA_NAND: P3.4 P3.5 U6.8 | length 2468.4
  Top Layer w15: P3.4@2430,4010 P3.5@2530,4110
  Bottom Layer w10: P3.4@2430,4010 2385,3965 2385,3515 2362,3492 2362,3339 2722,2979 3114,2979 3162,2931 3162,2825.92 3180.08,2807.84 3180.08,2768 3171.9,2759.82 3136.82,2759.82 3133,2756 3133,2487 3152,2468 3233,2468 U6.8@3275,2510
pads on no net: P2.13 P2.14 P2.15 P2.16 P2.A6 P2.A7 P2.A8 P2.B8 P3.6 P6.8 P6.17 P6.27 P6.28 PS2.2 PS2.5 R3.3 R9.1 SW1.2 SW1.3 SW2.2 SW2.3 SW3.4 SW3.5 SW4.2 SW4.3 SW5.2 SW5.3 SW6.2 SW6.3 SW7.2 SW7.3 SW8.2 SW8.3 U1.18 U1.19 U1.39 U4.1 U4.3 U4.5 U4.7 U4.35 U4.38 U4.39 U5.0 U9.3 U9.7 U11.3 U11.4 U11.10 U11.11 U11.12 U11.13 U12.1 U12.2 U12.3 U12.4 U12.5 U12.6 U12.11 U12.12 U12.13 U13.2 U13.4 U13.6 U14.1 U14.15 U15.2 U15.3 U15.4 U15.5 U15.6 U15.7 U15.9 X1.1

## Polygon pours and split planes (outlines as drawn)
GND on Bottom Layer "GND_L02_P000" (solid, pour order 0): 1710,4555 1710,1070 8670,1070 8670,4555
+5 on Top Layer "+5_L01_P001" (solid, pour order 1): 1707.74,4548.07 1707.74,1063.07 8667.74,1063.07 8667.74,4548.07

## Silkscreen, mask and mechanical layers (free items; w line width, h text height)
Top Overlay:
  circle w10: c8350,4205 r194.74
  lines w10: 1735,1090 3650,1090 3650,2165 1735,2165 1735,1090 ; 3856,1820 6665,1820 6665,2363 3856,2363 3856,1820
  text "6502" at 8235,4215 h60
  text "MJ" at 8305,4130 h60
  text "28C256 EEPROM" at 4025,4030 h60
  text "62256 RAM" at 5800,4030 h60
  text "W65C02 PROCESSOR" at 2400,3140 h60
  text "W65C22 INTERFACE ADAPTER" at 4500,3140 h60
  text "PS2 Shift Registers" at 5585,2389.99 h60
  text "555 Clock" at 1765,2190 h60
  text "555 Logic Gates" at 5770,1734.99 h60
Bottom Overlay:
  text "A12" at 7122,4083 h40
  text "GND" at 7512.06,4083 h40
  text "A13" at 7122,3983 h40
  text "A11" at 7492.06,3983 h40
  text "A14" at 7122,3883 h40
  text "A10" at 7505.39,3883 h40
  text "A15" at 7122,3783 h40
  text "A9" at 7472.07,3783 h40
  text "D7" at 7122,3683 h40
  text "A8" at 7472.07,3683 h40
  text "GND" at 7122,3583 h40
  text "A7" at 7472.07,3583 h40
  text "NC" at 7122,3483 h40
  text "NC" at 7472.07,3483 h40
  text "D6" at 7122,3383 h40
  text "GND" at 7512.06,3383 h40
  text "D5" at 7122,3283 h40
  text "A6" at 7472.07,3283 h40
  text "D4" at 7122,3183 h40
  text "A5" at 7472.07,3183 h40
  text "GND" at 7122,3083 h40
  text "A4" at 7472.07,3083 h40
  text "D3" at 7122,2983 h40
  text "NC" at 7472.07,2983 h40
  text "D2" at 7122,2883 h40
  text "A3" at 7472.07,2883 h40
  text "GND" at 7122,2783 h40
  text "A2" at 7472.07,2783 h40
  text "D1" at 7122,2683 h40
  text "A1" at 7458.74,2683 h40
  text "D0" at 7122,2583 h40
  text "GND" at 7512.06,2583 h40
  text "NC" at 7122,2483 h40
  text "A0" at 7472.07,2483 h40
  text "VGA_DMA'" at 7692,2389.66 h40
  text "GND" at 7122,2383 h40
  text "+5V" at 7122,2283 h40
  text "CLK'" at 7532.05,2283 h40
  text "+5V" at 7122,2183 h40
  text "+3V3" at 7552.05,2183 h40
Top Solder:
  drawing of 63 lines, arcs and shapes, not listed
Mechanical 6:
  the board outline again, w2.7

## Text inside footprints (layer, text, board x,y; h text height)
P1: Top Overlay "6" at 1889.57,4178.11 h40 r90; Top Overlay "5" at 1995.87,4178.11 h40 r90; Top Overlay "2" at 1889.57,3814.33 h40 r90; Top Overlay "1" at 1995.87,3826.14 h40 r90
P3: Top Overlay "6" at 2444.57,4178.11 h40 r90; Top Overlay "5" at 2550.87,4178.11 h40 r90; Top Overlay "2" at 2444.57,3814.33 h40 r90; Top Overlay "1" at 2550.87,3826.14 h40 r90
P4: Top Overlay "6" at 2167.07,4178.11 h40 r90; Top Overlay "5" at 2273.37,4178.11 h40 r90; Top Overlay "2" at 2167.07,3814.33 h40 r90; Top Overlay "1" at 2273.37,3826.14 h40 r90
P6: Top Overlay "40" at 7224.57,4168.11 h40 r90; Top Overlay "39" at 7330.87,4168.11 h40 r90; Top Overlay "1" at 7330.87,2116.14 h40 r90; Top Overlay "2" at 7224.57,2104.33 h40 r90